# Altium PCB Layout.PcbDoc (part 1 of 2) (continued)
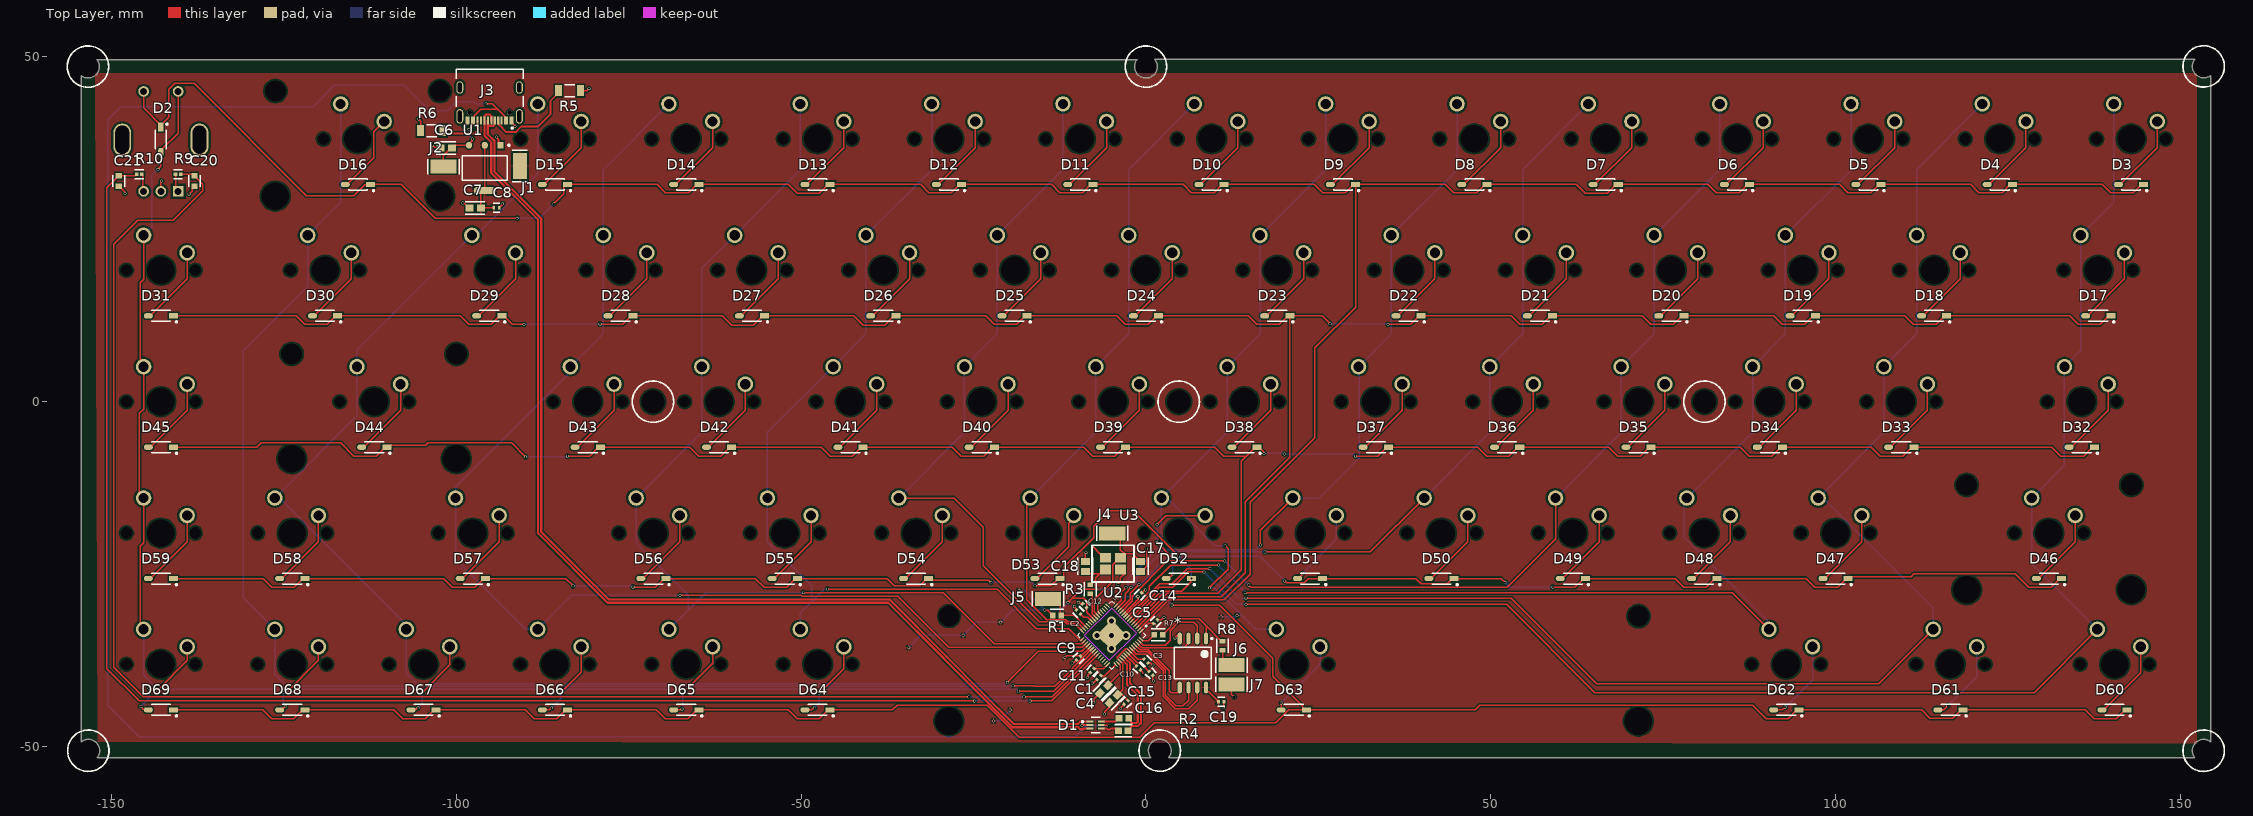
[diagram p0: Top Layer view]
## Components (designator, comment, footprint, x,y, rotation, side; value= is the part's Value field where it differs from the comment) (continued)
U3 "TAXM12M4RLBDDT2T" TAXM12M4RLBDDT2T -4.8,-23.5 r180 top

## Footprints (in the part's own frame and the unit in brackets; to place one, negate y for a bottom-side part, rotate by r counter-clockwise, add the part's x,y. Pads: shape width x height; smd on the part's side, far side on the other; paste and mask are expansions set on the pad)
CherryMX-Footprint-1 [mm]
  round 0 hole 1.7 unplated: 0(-5,0) 0(5,0)
  round 0 hole 3.988 unplated: 0(0,0)
  round 2.25 hole 1.5: 1(-3.81,2.54) 2(2.51,5.08)
  body extent -7.75,-8.1 7.75,8.1, height 15.24
FP-5019-MFG [mm]
  rect 3.8x2.03 smd paste+0 mask+0: 1(0,0)
  silkscreen extent -2.28,-1.08 2.28,1.08
FP-AMS1117-IPC_C [mm]
  rect 1.004x0.872 smd paste+0 mask+0: 1(-3.295,2.29)
  rrect100% 1.004x0.872 smd paste+0 mask+0: 2(-3.295,0) 3(-3.295,-2.29)
  rrect87% 1.004x3.182 smd paste+0 mask+0: 4(3.295,0)
  silkscreen extent -3.42,-3.25 1.75,3.63, body extent -3.9,-3.35 3.9,3.35, height 0.25
FP-CC0603-DA-MFG [mm]
  rect 0.8x0.9 smd paste+0 mask+0: 1(-0.75,0) 2(0.75,0)
  silkscreen extent -0.85,-0.85 0.85,0.85, body extent -1.35,-0.75 1.35,0.75, height 0.25
FP-CL10-IPC_A [mm]
  rect 1.158x1.012 smd paste+0 mask+0: 1(-0.827,0) 2(0.827,0)
  silkscreen extent -1.41,-0.91 1.41,0.91, body extent -1.91,-1.01 1.91,1.01, height 0.25
FP-GQM219-0_15-IPC_C [mm]
  rect 1.006x1.308 smd paste+0 mask+0: 1(-0.726,0) 2(0.726,0)
  silkscreen extent -1.23,-1.1 1.23,1.1, body extent -1.33,-0.8 1.33,0.8, height 0.25
FP-GRM155-0_05-MFG [mm]
  rect 0.4x0.5 smd paste+0 mask+0: 1(-0.4,0) 2(0.4,0)
  silkscreen extent -0.5,-0.65 0.5,0.65, body extent -0.7,-0.38 0.7,0.38, height 0.25
FP-PEC12R-4225F-S0024-MFG [mm]
  round 1.55 hole 1 paste-2539.97 mask+0: 1(-2.5,7) 2(2.5,7) B(2.5,-7.5) C(0,-7.5)
  rrect100% 2.6x4.7 hole 4.1 slot 2 at 0 deg paste-2539.97 mask+0: 3(-5.6,0) 4(5.6,0)
  rect 1.55x1.55 hole 1 paste-2539.97 mask+0: A(-2.5,-7.5)
  silkscreen extent -2.63,-8.97 -2.38,-8.73, body extent -7,-7.63 7,7.12, height 25.5
FP-RC0402-0_4-IPC_C [mm]
  rect 0.515x0.472 smd paste+0 mask+0: 1(-0.379,0) 2(0.379,0)
  silkscreen extent -0.64,-0.67 0.64,0.67, body extent -0.74,-0.38 0.74,0.38, height 0.25
FP-RC0603-0_55-IPC_C [mm]
  rect 0.659x0.812 smd paste+0 mask+0: 1(-0.677,0) 2(0.677,0)
  silkscreen extent -1.01,-0.85 1.01,0.85, body extent -1.11,-0.55 1.11,0.55, height 0.25
FP-RMCF0603-IPC_B [mm]
  rect 1.006x0.958 smd paste+0 mask+0: 1(-0.701,0) 2(0.701,0)
  silkscreen extent -1.2,-0.88 1.2,0.88, body extent -1.45,-0.73 1.45,0.73, height 0.25
FP-RMCF0603-IPC_C [mm]
  rect 0.806x0.858 smd paste+0 mask+0: 1(-0.601,0) 2(0.601,0)
  silkscreen extent -1,-0.87 1,0.87, body extent -1.1,-0.58 1.1,0.58, height 0.25
FP-RMCF1206-MFG [mm]
  rect 1x1.6 smd paste+0 mask+0: 1(-1.6,0) 2(1.6,0)
  silkscreen extent -0.72,-0.87 0.72,0.87, body extent -2.2,-0.97 2.2,0.97, height 0.25
FP-SOD-123-IPC_A [mm]
  rect 1.308x0.762 smd paste+0 mask+0: 1(-1.825,0)
  rrect100% 1.308x0.762 smd paste+0 mask+0: 2(1.825,0)
  silkscreen extent -2.39,-0.8 1.35,1.01, body extent -2.98,-1.3 2.98,1.3, height 0.25
FP-SOT-666-MFG [mm]
  rect 0.99x0.3 smd paste+0 mask+0: 1(-0.805,0.5) 2(-0.805,0) 3(-0.805,-0.5) 4(0.805,-0.5) 5(0.805,0) 6(0.805,0.5)
  silkscreen extent -2.02,-1.1 0.65,1.1, body extent -1.4,-0.95 1.4,0.95, height 0.25
FP-USB4105-GF-A-MFG [mm]
  rrect100% 1x2.1 hole 1.7 slot 0.6 at 0 deg paste-2539.97 mask+0: 1(-4.32,3.015) 2(4.32,3.015)
  rrect100% 1x1.8 hole 1.4 slot 0.6 at 0 deg paste-2539.97 mask+0: 3(-4.32,-1.165) 4(4.32,-1.165)
  rect 0.6x1.15 smd paste+0 mask+0: A1-B12(-3.2,3.59) A4-B9(-2.4,3.59) B1-A12(3.2,3.59) B4-A9(2.4,3.59)
  rect 0.3x1.15 smd paste+0 mask+0: A5(-1.25,3.59) A6(-0.25,3.59) A7(0.25,3.59) A8(1.25,3.59) B5(1.75,3.59) B6(0.75,3.59) B7(-0.75,3.59) B8(-1.75,3.59)
  round 0.65 hole 0.65 unplated paste-2539.97 mask+0: ""(-2.89,2.515) ""(2.89,2.515)
  silkscreen extent -4.86,-3.84 4.86,4.84, body extent -4.97,-3.94 4.97,4.27, height 0.25
QFN40P700X700X90-57N [mm]
  rrect25% 0.84x0.2 smd: 1(-3.435,2.6) 2(-3.435,2.2) 3(-3.435,1.8) 4(-3.435,1.4) 5(-3.435,1) 6(-3.435,0.6) 7(-3.435,0.2) 8(-3.435,-0.2) 9(-3.435,-0.6) 10(-3.435,-1) 11(-3.435,-1.4) 12(-3.435,-1.8) 13(-3.435,-2.2) 14(-3.435,-2.6) 29(3.435,-2.6) 30(3.435,-2.2) 31(3.435,-1.8) 32(3.435,-1.4) 33(3.435,-1) 34(3.435,-0.6) 35(3.435,-0.2) 36(3.435,0.2) 37(3.435,0.6) 38(3.435,1) 39(3.435,1.4) 40(3.435,1.8) 41(3.435,2.2) 42(3.435,2.6)
  rrect25% 0.2x0.84 smd: 15(-2.6,-3.435) 16(-2.2,-3.435) 17(-1.8,-3.435) 18(-1.4,-3.435) 19(-1,-3.435) 20(-0.6,-3.435) 21(-0.2,-3.435) 22(0.2,-3.435) 23(0.6,-3.435) 24(1,-3.435) 25(1.4,-3.435) 26(1.8,-3.435) 27(2.2,-3.435) 28(2.6,-3.435) 43(2.6,3.435) 44(2.2,3.435) 45(1.8,3.435) 46(1.4,3.435) 47(1,3.435) 48(0.6,3.435) 49(0.2,3.435) 50(-0.2,3.435) 51(-0.6,3.435) 52(-1,3.435) 53(-1.4,3.435) 54(-1.8,3.435) 55(-2.2,3.435) 56(-2.6,3.435)
  rect 3.1x3.1 smd paste-0.57: 57(0,0)
  silkscreen extent -4.57,-3.5 3.5,3.5, body extent -3.5,-3.5 3.5,3.5, height 0.9
SOIC127P790X216-8N [mm] "SOIC, 8-Leads, Body 5.28x5.28mm, Pitch 1.27mm, IPC Medium Density"
  oval 1.7x0.6 smd: 1(-3.55,1.905) 2(-3.55,0.635) 3(-3.55,-0.635) 4(-3.55,-1.905) 5(3.55,-1.905) 6(3.55,-0.635) 7(3.55,0.635) 8(3.55,1.905)
  silkscreen extent -3.67,-2.7 2.3,2.88, body extent -2.7,-2.7 2.7,2.7, height 2.16
TAXM12M4RLBDDT2T [mm]
  rect 1.6x1.4 smd: 1(-1.1,-0.85) 2(1.1,-0.85) 3(1.1,0.85) 4(-1.1,0.85)
  silkscreen extent -3.05,-2.67 3.05,2.67

## Part data
*: library part CMP-002-00077-2, "Flash"
C1 C2 C3 C5 C8 C9 C10 C11 C12 C13 C14 C16 C19: library part CMP-2008-03928-2, Capacitance=100nF, Case Code (Imperial)=0402, Case Code (Metric)=1005, Dielectric=X7R, Manufacturer Lifecycle Status=NRND, Max Operating Temperature=125°C, Min Operating Temperature=-55°C, Tolerance=10%, Voltage=16V, Case/Package=0402, Depth=500µm, Height=550µm, Lead Free="Lead Free", Length=1mm, Material=Ceramic, Mount="Surface Mount", NexarPartId=9223238, Number of Pins=2, Packaging="Cut Tape", Radiation Hardening=No, REACH SVHC="No SVHC", RoHS=Compliant, Schedule B="8532240020, 8532240020", Termination=SMD/SMT, Thickness=500µm, Voltage Rating=16V, Voltage Rating (DC)=16V, Width=500µm
C4 C6 C7 C15: library part CMP-13271-001457-1, "Cap Ceramic 1uF 16V X5R ±10% Pad SMD 0603 +85°C T/R", Capacitance=1uF, Case Code (Imperial)=0603, Case Code (Metric)=1608, Dielectric=X5R, Max Operating Temperature=85°C, Min Operating Temperature=-55°C, Package Quantity=1, Tolerance=10%, Voltage=16V, Case/Package=0603, Contact Plating=Tin, Depth=0.8mm, Height=0.8mm, Lead Free="Lead Free", Length=1.6mm, Material=Ceramic, Mount="Surface Mount", Packaging="Tape and Reel", Radiation Hardening=No, Thickness=0.035inch, Voltage Rating=16V, Voltage Rating (DC)=16V, Width=0.031inch
C17 C18: library part CMP-06035-016346-1, "Ceramic Capacitor 32pF ±5% 250VDC C0G 0805 Paper T/R"
C20 C21: library part CMP-2100-03600-2, "CAP CER 10000PF 50V X7R 0603", Capacitance="10 nF", Manufacturer=YAGEO, Package=CC0603-DA, Temperature="-55°C to +125°C", Temperature Characteristic=X7R, Temperature Coefficient=15%, Temperature Range High=+125°C, Temperature Range Low=-55°C, Tolerance=0.1, Voltage="50 V", Automotive=No, Category=Cap, ComponentLink2Description=Datasheet, ComponentLink2URL=http://www.yageo.com/documents/recent/UPY-GPHC_X7R_6.3V-to-50V_18.pdf, Device Class L1="Passive Components", Device Class L2=Capacitors, Device Class L3="Ceramic Capacitors", Digikey Description="CAP CER 10000PF 50V X7R 0603", Footprint Url=http://www.yageo.com/exep/pages/download/literatures/UPY-C_GEN_24.pdf, Height=0.9mm, Lead Free=Yes, Manufacturer Part Number=CC0603KRX7R9BB103, Material=Ceramic, Mouser Description="Multilayer Ceramic Capacitor, CC Series, 0.01 - F, - 10%, X7R, 50 V, 0603 [1608 Metric]", Octopart=https://octopart.com/cc0603krx7r9bb103-yageo-192938, RoHS=TRUE, Voltage Rating="50 V"
D1: library part CMP-12225-000058-1, "TVS DIODE 5.25V 17V SOT666", Breakdown Voltage=6V, Capacitance=3.5pF, Case/Package=SOT-666, Clamping Voltage=17V, Leakage Current=150nA, Max Operating Temperature=125°C, Min Operating Temperature=-40°C, Operating Supply Voltage=5V, Package Quantity=1, Peak Pulse Current=5A, Power Line Protection=Yes, Test Current=1mA, Contact Plating=Tin, Depth=1.3mm, Direction=Unidirectional, Element Configuration=Dual, ESD Protection=Yes, Height=0.6mm, Lead Free="Lead Free", Length=1.7mm, Max Breakdown Voltage=6V, Max Reverse Leakage Current=150nA, Min Breakdown Voltage=6V, Mount="Surface Mount", Number of Bidirectional Channels=2, Number of Channels=2, Number of Elements=1, Number of Pins=6, Packaging="Tape and Reel", Polarity=Unidirectional, Radiation Hardening=No, REACH SVHC="No SVHC", Reverse Breakdown Voltage=6V, Reverse Standoff Voltage=5V, Termination=SMD/SMT, Width=1.3mm, Working Voltage=5V
D2 D3 D4 D5 D6 D7 D8 D9 D10 D11 D12 D13 D14 D15 D16 D17 D18 D19 D20 D21 D22 D23 D24 D25 D26 D27 D28 D29 D30 D31 D32 D33 D34 D35 D36 D37 D38 D39 D40 D41 D42 D43 D44 D45 D46 D47 D48 D49 D50 D51 D52 D53 D54 D55 D56 D57 D58 D59 D60 D61 D62 D63 D64 D65 D66 D67 D68 D69: library part CMP-2000-04993-2, "DIODE GEN PURP 100V 150MA SOD123", Average Rectified Current=150mA, Capacitance=4pF, Forward Voltage=1V, Max Forward Surge Current (Ifsm)=1A, Max Operating Temperature=150°C, Max Repetitive Reverse Voltage (Vrrm)=100V, Max Reverse Leakage Current=5uA, Max Surge Current=2A, Min Operating Temperature=-65°C, Package Quantity=3000, Power Dissipation=400mW, Current Rating=150mA, Element Configuration=Single, Forward Current=150mA, Height=1.2mm, Lead Free="Lead Free", Length=2.85mm, Max Reverse Voltage (DC)=100V, Mount="Surface Mount", Number of Pins=2, Output Current=150mA, Packaging="Tape and Reel", Peak Non-Repetitive Surge Current=2A, Polarity=Standard, Radiation Hardening=No, Recovery Time=4ns, Reverse Recovery Time=4ns, Voltage Rating (DC)=100V, Width=1.8mm
ENC1: library part CMP-07421-000041-1, "ROTARY ENCODER MECHANICAL 24PPR", Max Operating Temperature=70°C, Min Operating Temperature=-30°C, Package Quantity=75, Built in Switch=Yes, Detent=Yes, Encoder Type=Mechanical, Height=13.4mm, Hole Diameter=1mm, Length=13.4mm, Mount="Through Hole", Number of Channels=2, Orientation=Vertical, Output Type=Quadrature, Packaging=Bulk, Pulses per Revolution=24, REACH SVHC="No SVHC", RoHS Compliant=Yes, Series=PEC12R, Termination="PC Pin", Width=12.5mm
J1 J2 J4 J5 J6 J7: library part CMP-1672-00008-2, Contact Material="Bronze, Silver", Contact Plating=Silver, Height=2.286mm, Lead Free="Lead Free", Material=Bronze, Mount="Surface Mount", NexarPartId=22052288, Number of Contacts=1, Number of Pins=1, Packaging="Tape and Reel", REACH SVHC="No SVHC", RoHS=Compliant, Termination=SMD/SMT
J3: library part CMP-245163-000001-1, "CONN RCPT USB2.0 TYPEC 5A", Current Rating=5/6.25/1.25/0.25A, Manufacturer=GCT, Package=0, Temperature="-40°C to +85°C", Temperature Range High=+85°C, Temperature Range Low=-40°C, Voltage Rating=20V, Automotive=No, Category=Conn, ComponentLink2Description=Datasheet, ComponentLink2URL=https://gct.co/files/drawings/usb4105.pdf, Conn Orientation="Right Angle", Contact Material=Gold,Nickel, Device Class L1=Connectors, Device Class L2="USB Connectors", Device Class L3=unset, Digikey Description="CONN RCPT USB2.0 TYPEC 5A", Height=3.46mm, Is Female=yes, Lead Free=Yes, Manufacturer Part Number=USB4105-GF-A, Number of Contacts=16, Octopart=https://octopart.com/usb4105-gf-a-gct-106627878, RoHS=TRUE, Usb Standard="USB 2.0"
R1 R7: library part CMP-26527-002098-1, "10kΩ ±5% 0.1W 0603 Thick Film Chip Resistor AEC-Q200 compliant", Case Code (Imperial)=0603, Case Code (Metric)=1608, Max Operating Temperature=155°C, Max Power Dissipation=100mW, Min Operating Temperature=-55°C, Resistance=10kR, Resistor Type="Thick Film", Temperature Coefficient=100ppm/°C, Tolerance=5%, Case/Package=0603, Construction=Rectangular, Contact Plating=Tin, Depth=0.8mm, Features="Automotive AEC-Q200", Height=0.022inch, Lead Free="Lead Free", Length=1.55mm, Military Standard=Not, Mount="Surface Mount", Number of Terminations=2, Packaging="Tape and Reel", Power Rating=100mW, Radiation Hardening=No, Series=RMCF, Size Code=0603, Width=0.031inch
R2 R4: library part CMP-26527-005743-1, "27Ω ±1% 0.1W 0603 Thick Film Chip Resistor AEC-Q200 compliant", Case Code (Imperial)=0603, Case Code (Metric)=1608, Max Operating Temperature=155°C, Max Power Dissipation=100mW, Min Operating Temperature=-55°C, Resistance=27R, Resistor Type="Thick Film", Temperature Coefficient=100ppm/°C, Tolerance=1%, Case/Package=0603, Contact Plating=Tin, Features="Automotive AEC-Q200", Height=0.022inch, Lead Free="Lead Free", Length=0.061inch, Mount="Surface Mount", Number of Terminations=2, Packaging="Tape and Reel", Radiation Hardening=No, RoHS Compliant=Yes, Series=RMCF, Width=0.031inch
R3 R8: library part CMP-1659-00009-5, "RES 1K OHM 1% 1/10W 0603", Case Code (Imperial)=0603, Case Code (Metric)=1608, Max Operating Temperature=155°C, Max Power Dissipation=100mW, Min Operating Temperature=-55°C, Resistance=1kR, Resistance Tolerance=1%, Resistor Type="Thick Film", Temperature Coefficient=100ppm/°C, Voltage Rating=50V, Case/Package=0603, Construction=Rectangular, Contact Plating=Tin, Depth=0.8mm, Features="Moisture Resistant", Height=0.45mm, Lead Free="Lead Free", Length=1.6mm, Military Standard=Not, Number of Terminations=2, Packaging="Tape and Reel", Power Rating=100mW, Radiation Hardening=No, REACH SVHC="No SVHC", RoHS Compliant=Yes, Series=RC, Size Code=0603, Technology="THICK FILM", Termination=SMD/SMT, Tolerance=1%
R5 R6: library part CMP-26527-003341-1, "56kΩ ±5% 0.25W 1206 Thick Film Chip Resistor AEC-Q200 compliant", Case Code (Imperial)=1206, Case Code (Metric)=3216, Max Operating Temperature=155°C, Max Power Dissipation=250mW, Min Operating Temperature=-55°C, Resistance=56kR, Resistor Type="Thick Film", Temperature Coefficient=200ppm/°C, Tolerance=5%, Case/Package=1206, Construction=Rectangular, Contact Plating=Tin, Depth=1.6mm, Features="Automotive AEC-Q200", Height=0.028inch, Lead Free="Lead Free", Length=0.126inch, Military Standard=Not, Mount="Surface Mount", Number of Terminations=2, Packaging="Tape and Reel", Power Rating=250mW, Radiation Hardening=No, RoHS Compliant=Yes, Series=RMCF, Size Code=1206, Width=0.063inch
R9 R10: library part CMP-2002-07915-3, "RES 10K OHM 5% 1/16W 0402", Case Code (Imperial)=0402, Case Code (Metric)=1005, Max Operating Temperature=155°C, Max Power Dissipation=63mW, Min Operating Temperature=-55°C, Package Quantity=1, Power Rating=62.5mW, Resistance=10kR, Resistance Tolerance=5%, Resistor Type="Thick Film", Temperature Coefficient=100ppm/°C, Voltage Rating=50V, Case/Package=0402, Construction=Rectangular, Depth=0.5mm, Features="Moisture Resistant", Height=0.016inch, Lead Free="Lead Free", Length=0.039inch, Military Standard=Not, Number of Terminations=2, Packaging="Tape and Reel", RoHS Compliant=Yes, Series=RC, Size Code=0402, Termination=SMD/SMT, Tolerance=5%, Width=0.02inch
SW SW1 SW2 SW3 SW4 SW5 SW6 SW7 SW8 SW9 SW10 SW11 SW12 SW13 SW14 SW15 SW16 SW17 SW18 SW19 SW20 SW21 SW22 SW23 SW24 SW25 SW26 SW27 SW28 SW29 SW30 SW31 SW32 SW33 SW34 SW35 SW36 SW37 SW38 SW39 SW40 SW41 SW42 SW43 SW44 SW45 SW46 SW47 SW48 SW49 SW50 SW51 SW52 SW53 SW54 SW55 SW56 SW57 SW58 SW59 SW60 SW61 SW62 SW63 SW64 SW65 SW66: library part CMP-037-000000-5, "Cherry Switch 1U", Design Item ID=CherryMX, Source=CherryMX.SchLib
U1: library part CMP-209535-000001-1, "LDO Voltage Regulators 1A, 3.3V", Dropout Voltage=1.1V, Manufacturer="Advanced Monolithic Systems", Max Junction Temp=+125°C, Max Power Dissipation=1.2W, Max Supply Voltage=15V, Nominal Supply Current=5mA, Output Current=1A, Output Voltage=3.3V, Package=AMS1117, Temperature="-40°C to +125°C", Temperature Range Low=-40°C, Automotive=No, Category=IC, ComponentLink2Description=Datasheet, ComponentLink2URL=http://www.advanced-monolithic.com/pdf/ds1117.pdf, Device Class L1="Integrated Circuits (ICs)", Device Class L2="Power Management ICs", Device Class L3="Voltage Regulators - Linear", Height=1.8mm, Ipc Land Pattern Name=SOT229P700X180-4, Lead Free=Yes, Manufacturer Part Number=AMS1117-3.3, Number Of Outputs=1, Octopart=https://octopart.com/ams1117-3.3-advanced+monolithic+systems-25899300, Output Type=Fixed, RoHS=TRUE, Standoff Height=0.64mm, Temperature Range High=+125°C
U2: library part CMP-027-000000-1, "RP2040 chip for Raspberry Pi Pico - ARM® Cortex®-M0+ MCU 32-Bit", Package=None, Check_prices=https://www.snapeda.com/parts/RP2040/Raspberry+Pi/view-part/?ref=eda, Component Type=Standard, Design Item ID=RP2040, MF="Raspberry Pi", MP=RP2040, Pin Count=57, SnapEDA_Link=https://www.snapeda.com/parts/RP2040/Raspberry+Pi/view-part/?ref=snap, Source=RP2040.SchLib
U3: library part CMP-00000-2, "Crystal 12MHz", Frequency=12MHz, Load Capacitance=20pF

## Free pads (board coordinates)
  round 0 hole 3.988: 8(-126.279,29.825) 8(-123.898,-8.275) 8(-102.403,29.825) 8(-100.022,-8.275) 8(-28.572,-46.325) 8(71.428,-46.325) 8(119.026,-27.275) 8(142.902,-27.275)
  round 0 hole 3.048: 8(-126.279,45.035) 8(-123.898,6.935) 8(-102.403,45.035) 8(-100.022,6.935) 8(-28.572,-31.115) 8(71.428,-31.115) 8(119.026,-12.065) 8(142.902,-12.065)
  round 0 hole 3.4: 8(-71.5,0) 8(4.75,0) 8(81,0)

## Via types
v1: diameter 0.4, hole 0.3, Top Layer to Bottom Layer, 120 vias
v2: diameter 1.27, hole 0.711, Top Layer to Bottom Layer, 5 vias

## Nets (pads, with @x,y where several pads share a name; then routed paths per layer and width w, separated by ;. In a path a pad name is that pad's centre, name@x,y a point inside that pad or via, vN(x,y) a via of type N, cw(c..) or ccw(c..) an arc to the next point about the centre after c; other vN are vias at no path point)
1V1: C2.2 C3.2 C15.2 C16.2 U2.23 U2.45 U2.50 | length 15.2
  Top Layer w0.2: C2.2@-9.517,-30.783 -9.057,-31.243 -8.447,-31.243 U2.23@-7.831,-31.859 ; C16.2@-2.617,-43.317 -3.419,-42.515 -3.438,-42.515 -3.489,-42.464 -4.064,-42.464 C15.2@-4.115,-42.515 -3.4,-41.8 -3.4,-37.988 U2.45@-3.822,-37.566 -4.178,-37.21 -4.178,-37.044 -2.933,-35.8 -2.759,-35.8 U2.50@-2.408,-36.151 -1.207,-37.353 -0.318,-37.353 C3.2@-0.283,-37.317
3V3: *.8 C1.2 C4.1 C5.2 C7.1 C8.1 C9.2 C10.2 C11.2 C12.2 C13.2 C14.2 C19.2 J1.1 R1.2 U1.2 U1.4 U2.1 U2.10 U2.22 U2.33 U2.42 U2.43 U2.44 U2.48 U2.49 | length 93.9
  Top Layer w0.2: U1.2@-95.9,37.195 U1.4@-95.9,30.605 -96.097,30.605 -96.473,30.228 C7.1@-96.473,28.1 C8.1@-94.6,28.1 ; v1(-14.684,-30.196) -14.646,-30.234 -14.241,-30.234 -13.501,-30.974 R1.2@-13.501,-31 ; v1(-11.775,-37.125) -11.721,-37.125 -11.478,-36.882 -9.553,-36.882 C9.2@-9.517,-36.917 -9.446,-36.917 U2.33@-8.114,-35.586 ; v1(-11.3,-29.1) -10.7,-28.5 ; U2.22@-7.549,-31.576 -8.617,-30.508 -8.617,-30.095 -8.653,-30.06 -8.653,-29.918 C12.2@-8.617,-29.883 -8.582,-29.847 -8.582,-28.918 -9,-28.5 -10.7,-28.5 ; C11.2@-7.482,-38.753 -6.19,-38.753 U2.42@-5.569,-38.131 ; v1(-7.154,-27.2) -9.4,-27.2 -10.7,-28.5 ; C1.2@-6.553,-39.682 C1.2@-6.517,-39.717 ; C1.2@-6.482,-39.753 -6.009,-39.753 U2.43@-4.388,-38.131 ; C4.1@-5.567,-41.167 C4.1@-5.515,-41.115 -3.7,-39.3 -3.7,-38.253 U2.44@-4.105,-37.849 ; U2.10@-3.256,-30.728 -1.147,-28.619 -1.147,-28.318 v1(-1.183,-28.283) ; U2.48@-2.974,-36.717 -2.348,-37.343 -2.316,-37.343 -1.383,-38.276 C10.2@-1.383,-38.317 C10.2@-1.418,-38.353 ; U2.49@-2.691,-36.434 -1.271,-37.854 -0.846,-37.854 C13.2@0.417,-39.117 C13.2@0.453,-39.082 ; U2.1@-0.711,-33.274 0.415,-32.147 1.082,-32.147 C5.2@1.117,-32.183 ; *.8@8.705,-41.45 8.705,-41.867 8.89,-42.052 9.102,-42.052 10.5,-43.45 C19.2@10.5,-43.5
  Bottom Layer w0.2: v1(-34.425,-35.675) -32.65,-33.9 v1(-26.5,-33.9) -24.6,-32 v1(-21.1,-32) -19.296,-30.196 v1(-14.684,-30.196) ; v1(-22.125,-46.3) -21.275,-46.3 v1(-19.7,-44.725) ; v1(-18.4,-27.4) -17.48,-27.4 v1(-14.684,-30.196) ; v1(-11.3,-29.1) -12.396,-30.196 v1(-14.684,-30.196) ; v1(-7.154,-27.2) -5.4,-27.2 v1(-5,-27.6) ; v1(-4.5,-28.5) -4.446,-28.5 -4.229,-28.283 v1(-1.183,-28.283) ; v1(10.9,-31.2) 12.946,-31.2 13.146,-31 v1(13.2,-31)
CC1: J3.A5 R5.1 | length 13.6
  Top Layer w0.254: J3.A5@-93.95,40.81 -93.95,40.385 -93.827,40.262 -93.827,40.141 -92.786,39.1 -91.4,39.1 -90.572,39.928 -88.172,39.928 -86.387,41.713 -86.387,43.613 -85.2,44.8 R5.1@-85.2,45.1
CC2: J3.B5 R6.1 | length 6.9
  Top Layer w0.254: R6.1@-102,39.3 -102,39.273 -101.627,38.9 -97.4,38.9 -96.973,39.327 -96.973,40.787 J3.B5@-96.95,40.81
COL_15: D2.2 ENC1.1 SW28.2 SW42.2 SW56.2 SW66.2 U2.35 | length 229.3
  Top Layer w0.2: SW28.2@-145.39,24.13 -145.39,17.781 -145.9,17.271 -145.9,6.145 -145.39,5.635 SW42.2@-145.39,5.08 -145.39,-1.09 -146,-1.7 -146,-13 -145.39,-13.61 SW56.2@-145.39,-13.97 -145.39,-20.49 -145.9,-21 -145.9,-31.954 -145.78,-32.073 -145.78,-32.628 SW66.2@-145.388,-33.02 ; v1(-143.3,33.7) -142.88,34.12 D2.2@-142.88,36.175 -142.88,36.448 -140.38,38.949 ENC1.1@-140.38,45 ; v1(-18.5,-42) -13.397,-42 U2.35@-7.549,-36.151
  Bottom Layer w0.2: SW28.2@-145.39,24.13 -144.168,25.352 -144.168,32.832 v1(-143.3,33.7) ; SW66.2@-145.388,-33.02 -145.388,-39.712 -143.4,-41.7 -18.8,-41.7 v1(-18.5,-42)
D_N: D1.1 J3.A7 J3.B7 | length 156.2
  Top Layer w0.254: J3.A7@-95.45,40.81 J3.A7@-95.427,40.833 ; J3.B7@-94.473,40.833 J3.B7@-94.45,40.81
  Top Layer w0.315: J3.A7@-95.45,40.81 -95.458,40.802 -95.458,40.377 -95.468,40.367 -95.468,38.767 -94.5,37.8 -94.5,33.358 -87.7,26.558 -87.7,-18.9 -77.9,-28.7 -37.185,-28.7 -28.905,-36.98 -28.905,-37.015 -23.872,-42.048 -19.176,-46.744 -9.875,-46.744 -9.531,-46.4 D1.1@-8.105,-46.4 ; J3.A7@-95.442,40.377 -95.442,40.213 -95.207,39.977 -94.693,39.977 -94.473,40.198 J3.B7@-94.473,40.833
D_P: D1.3 J3.A6 J3.B6 | length 157.4
  Top Layer w0.254: J3.A6@-94.973,40.787 J3.A6@-94.95,40.81
  Top Layer w0.315: J3.A6@-94.95,40.81 -94.958,40.818 -94.958,41.407 -95.193,41.642 -95.707,41.642 -95.943,41.407 -95.943,40.818 J3.B6@-95.95,40.81 -95.943,40.802 -95.943,40.377 -95.933,40.367 -95.933,38.575 -94.965,37.607 -94.965,33.165 -88.165,26.365 -88.165,-19.093 -78.093,-29.165 -37.377,-29.165 -29.37,-37.172 -29.37,-37.208 -24.337,-42.241 -19.369,-47.209 -9.836,-47.209 -9.531,-47.515 -9.069,-47.515 -8.962,-47.407 -8.113,-47.407 D1.3@-8.105,-47.4
GND: *.4 C1.1 C2.1 C3.1 C4.2 C5.1 C6.2 C7.2 C8.2 C9.1 C10.1 C11.1 C12.1 C13.1 C14.1 C15.1 C16.1 C17.2 C18.2 C19.1 C20.2 C21.1 D1.2 ENC1.3 ENC1.4 ENC1.C J3.1 J3.2 J3.3 J3.4 J3.A1-B12 J3.B1-A12 J7.1 R5.2 R6.2 U1.1 U2.19 U2.57 U3.2 U3.4 | length 44.9
  Top Layer w0.2: C21.1@-149,31.25 -148.95,31.25 -148.138,30.438 -148.138,30.238 v1(-148.1,30.2) ; ENC1.C@-142.88,30.5 -142.88,31.866 -142.8,31.946 v1(-142.8,32) ; v1(-138.8,30.1) -138.35,30.55 -138.35,30.95 -138.05,31.25 C20.2@-138,31.25 ; v1(-103.5,37.2) -103.1,36.8 C6.2@-102.327,36.8 ; v1(-99.1,28.8) -99.062,28.762 -98.862,28.762 -98.2,28.1 C7.2@-98.127,28.1 ; C8.2@-93.8,28.1 -93.8,28.15 -93.3,28.65 v1(-93.3,28.7) ; v1(-10.7,-37.9) -10.662,-37.862 -10.462,-37.862 C9.1@-10.083,-37.483 ; v1(-10.4,-29.7) -10.4,-29.754 -10.081,-30.074 -10.081,-30.215 C2.1@-10.083,-30.217 ; v1(-9.8,-29.1) -9.762,-29.138 -9.574,-29.138 -9.36,-29.353 -9.218,-29.353 C12.1@-9.183,-29.317 ; C18.2@-8.8,-23.174 -8.8,-22.054 -8.7,-21.954 v1(-8.7,-21.9) ; v1(-8.5,-40) -8.462,-39.962 -8.462,-39.662 C11.1@-8.083,-39.283 ; v1(-7.8,-40.8) -7.762,-40.762 -7.562,-40.762 C1.1@-7.083,-40.283 ; v1(-7.8,-21.1) -7.762,-21.138 -7.612,-21.138 -6.7,-22.05 U3.2@-6.6,-22.05 ; v1(-7.6,-43.6) -7.562,-43.562 -7.562,-43.162 C4.2@-6.685,-42.285 ; v1(-7,-29.3) -7,-30.287 -6.926,-30.36 -6.926,-30.502 U2.19@-6.7,-30.728 ; v1(-6,-45.3) -5.962,-45.262 -5.962,-44.936 -5.285,-44.259 C15.1@-5.285,-43.685 ; v1(-4.1,-26.5) -3.7,-26.1 -3.7,-25.55 -3.1,-24.95 U3.4@-3,-24.95 ; v1(-3.7,-44.5) -3.662,-44.462 -3.662,-44.362 C16.1@-3.183,-43.883 ; C10.1@-0.817,-38.883 -0.438,-39.262 -0.438,-39.562 v1(-0.4,-39.6) ; C14.1@-0.617,-27.717 -0.567,-27.717 -0.15,-27.3 v1(-0.1,-27.3) ; C17.2@-0.604,-24.823 C17.2@-0.8,-24.626 -0.649,-24.626 0.1,-23.877 v1(0.1,-21.4) ; C3.1@0.283,-37.883 0.318,-37.847 0.46,-37.847 0.495,-37.883 0.629,-37.883 0.946,-38.2 v1(1,-38.2) ; C13.1@0.983,-39.683 0.947,-39.718 0.947,-40.293 1.1,-40.446 v1(1.1,-40.5) ; C5.1@1.683,-31.617 1.718,-31.653 1.86,-31.653 1.895,-31.617 2.229,-31.617 2.546,-31.3 v1(2.6,-31.3) ; v1(4.2,-34.3) 4.2,-34.272 *.4@4.895,-33.577 ; v1(11.2,-44.4) 11.2,-44.346 11.3,-44.246 C19.1@11.3,-43.5 ; J7.1@12.4,-41 12.4,-42.4 v1(12.8,-42.8)
  Top Layer w0.254: v1(-105.5,41) -105.5,40.96 -105.2,40.66 R6.2@-105.2,39.3 ; J3.2@-99.52,41.385 J3.2@-99.52,41.958 ; J3.4@-99.52,45.337 J3.4@-99.52,45.565 ; v1(-98.873,39.927) v1(-98.873,39.927) -98.872,40.063 -98.4,40.535 J3.B1-A12@-98.4,40.81 ; v1(-94.2,38.4) -94.2,38.36 -93.919,38.08 -93.919,37.504 U1.1@-93.61,37.195 ; J3.A1-B12@-92,40.81 -92,40.535 -91.528,40.063 -91.528,39.928 v1(-91.5,39.9) ; J3.1@-90.88,41.385 J3.1@-90.88,42.04 ; J3.3@-90.88,45.337 J3.3@-90.88,45.565 ; R5.2@-82,45.1 -81.119,45.1 -80.819,45.4 v1(-80.8,45.4) ; v1(-9.3,-46.958) -9.26,-46.958 -9.203,-46.9 D1.2@-8.105,-46.9
  other v2: -5,-35.8 -7.1,-33.9 -5,-33.9 -2.9,-33.9 -5,-31.8